# Altium PCB Hall Board V2.0.PcbDoc (part 3 of 3)
Units mil, origin at the board's own origin, x right, y up, seen from the top; angles counter-clockwise.
Board outline 4570 x 4451.26 mil, 4 copper layers (Top Layer, Internal Plane 1, Internal Plane 2, Bottom Layer), stack 18.2 mil thick; 380 components, 270 nets, 1115 pads, 166 vias.
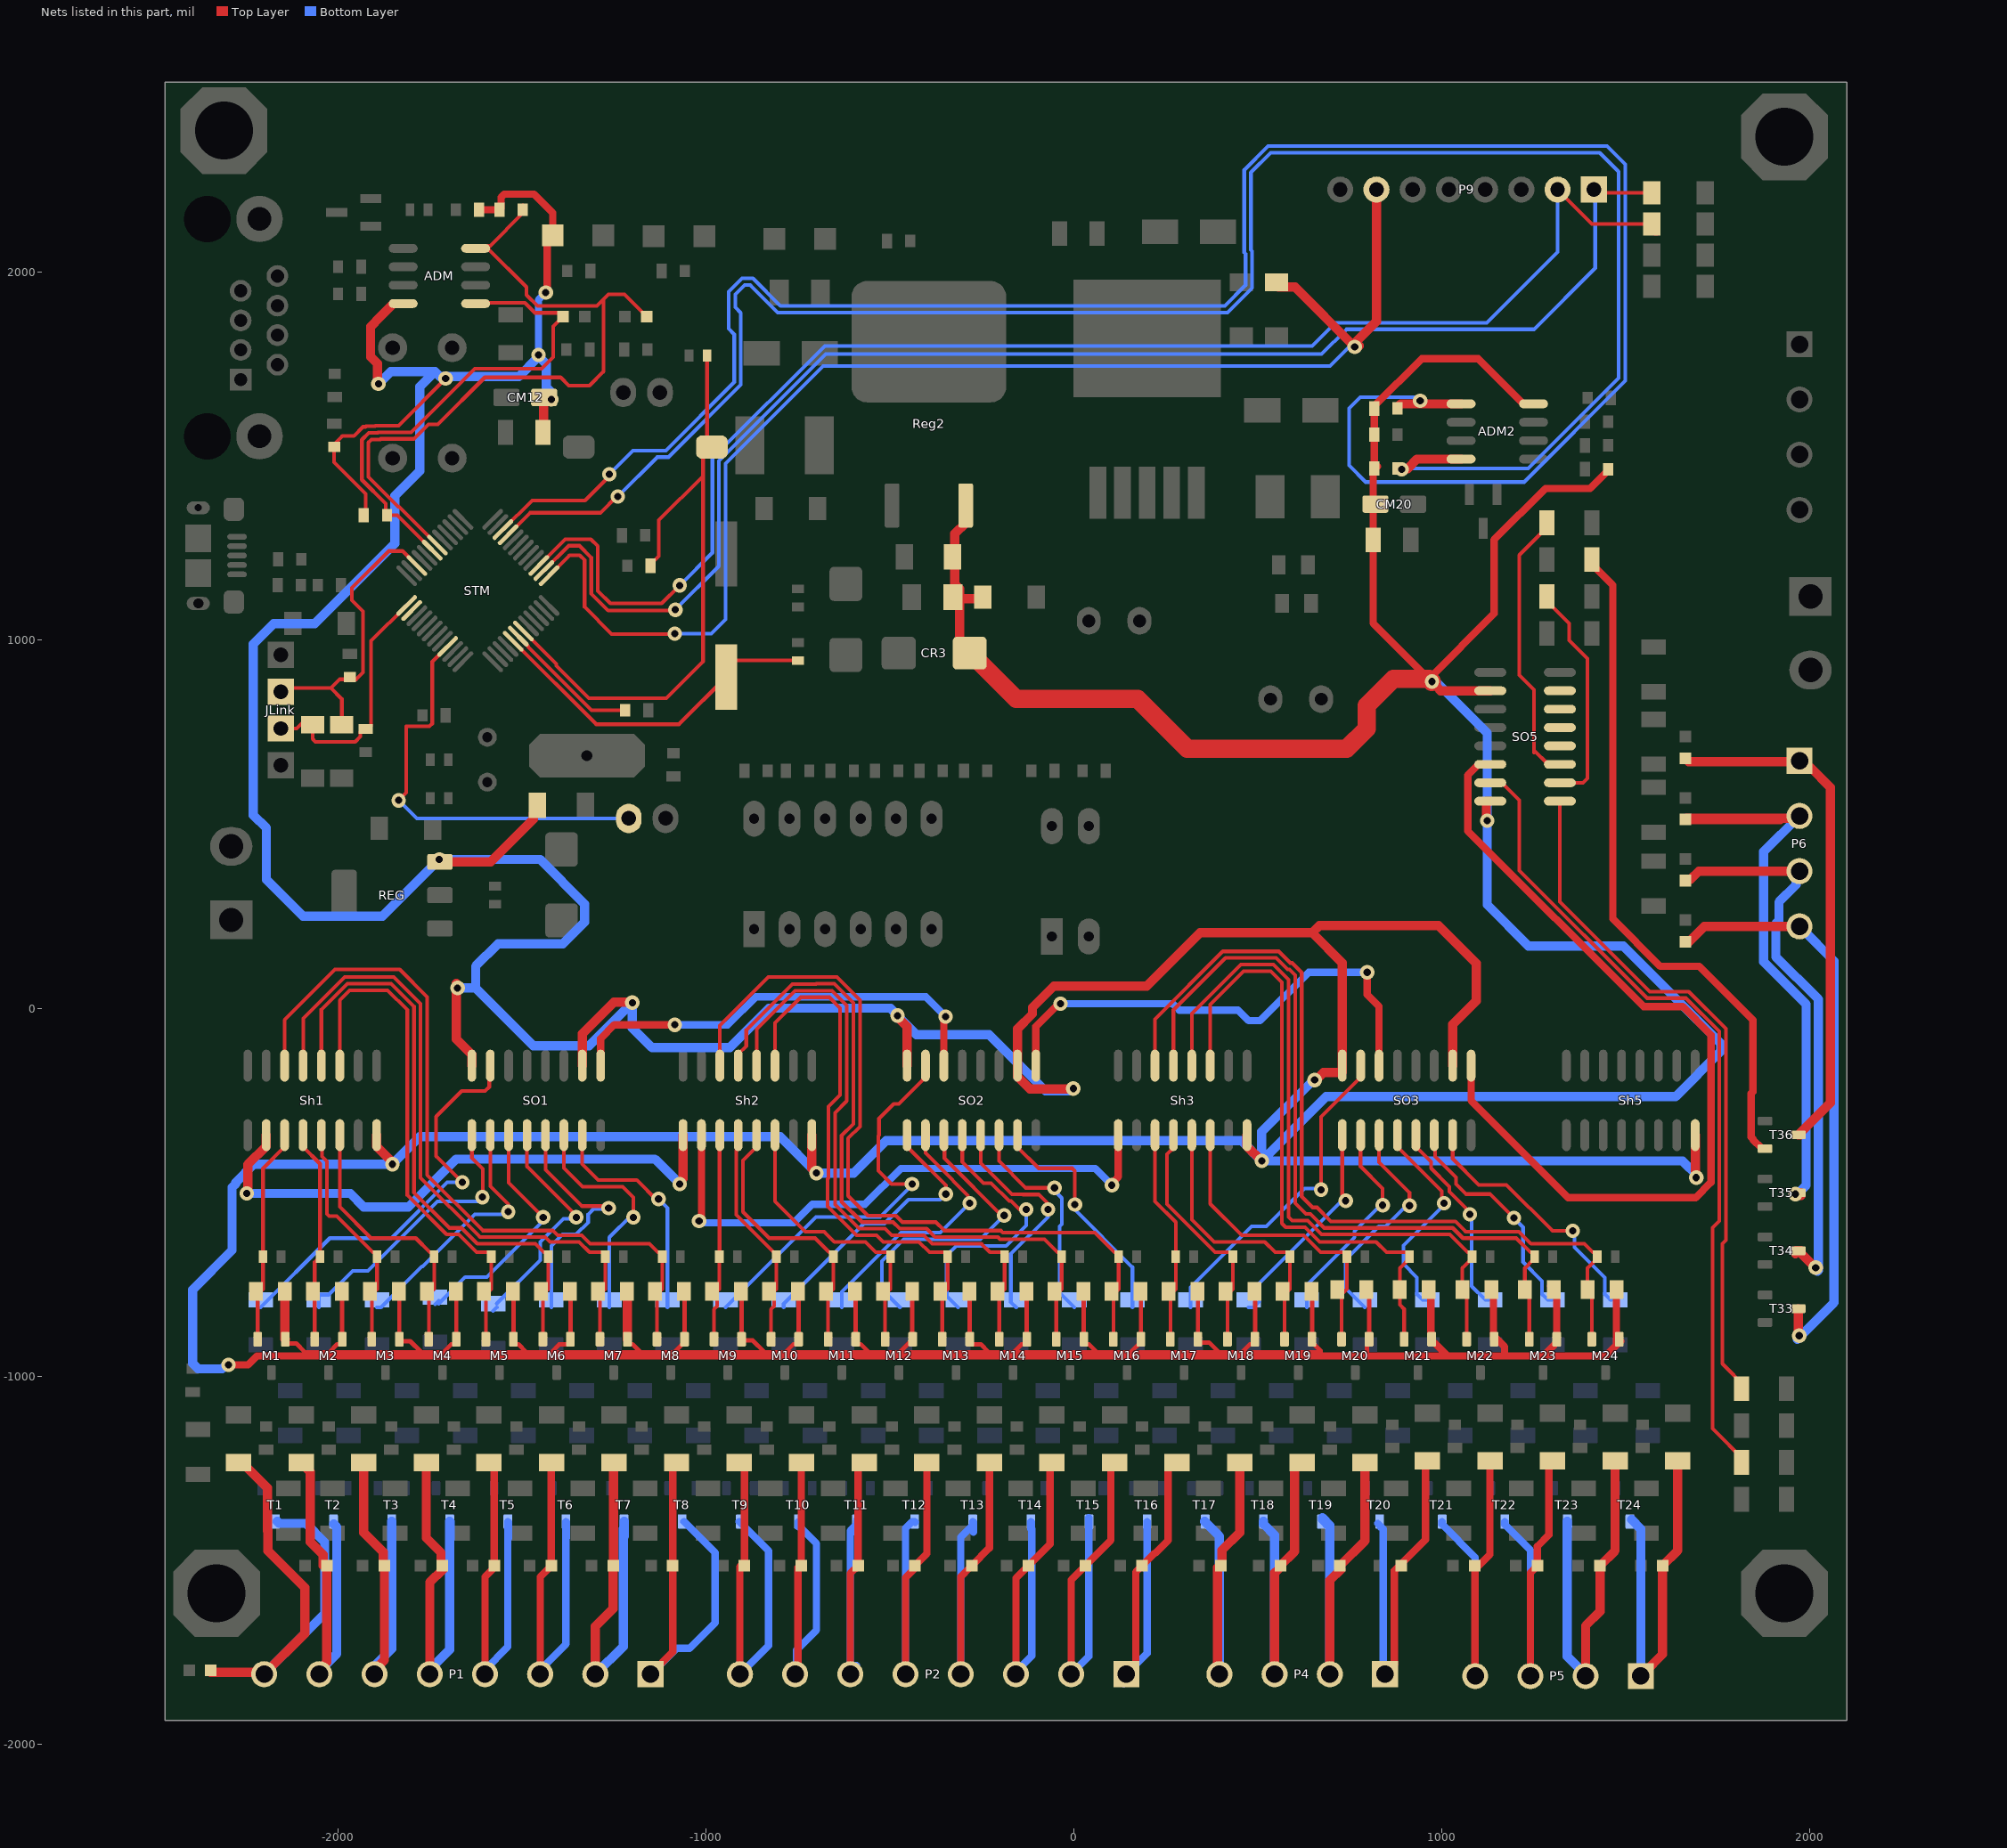
[diagram p5: the nets of this part, all layers, seen from the top]

## Via types
v1: diameter 39.37, hole 19.68, Top Layer to Bottom Layer, 165 vias
v2: diameter 78.74, hole 39.37, Top Layer to Bottom Layer, 1 vias

## Nets (pads, with @x,y where several pads share a name; then routed paths per layer and width w, separated by ;. In a path a pad name is that pad's centre, name@x,y a point inside that pad or via, vN(x,y) a via of type N, cw(c..) or ccw(c..) an arc to the next point about the centre after c; other vN are vias at no path point) (continued)
NetRX36_1: RX36.1 T36.2 | length 1865.8
  Top Layer w20: RX36.1@1407.22,1219.11 1407.22,1206.31 1463.63,1149.9 1463.63,242.91 1592.69,113.85 1698.6,113.85 1844.37,-31.92 1844.37,-227.36 1839.85,-231.88 1839.85,-350.48 1844.37,-355 1844.37,-356.4 1869.54,-381.56 T36.2@1877.41,-381.56
NetSh1_10: Sh1.10 Sh2.9 | length 1583.7
  Top Layer w25: v1@-2244.45,-500 -2244.45,-424.57 -2195,-375.12 Sh1.10@-2195,-345 ; v1@-1074.13,-475.1 -1062.5,-463.47 Sh2.9@-1062.5,-345
  Bottom Layer w25: v1(-2247.67,-503.34) -1966.66,-503.34 -1930,-540 -1808.55,-540 -1678.55,-410 -1139.22,-410 v1(-1071.45,-477.77)
NetSh2_10: Sh2.10 Sh3.9 | length 1579.6
  Top Layer w20: v1@-1017.61,-583.34 -1012.5,-578.23 Sh2.10@-1012.5,-345 ; v1@98.15,-480 120,-458.15 Sh3.9@120,-345
  Bottom Layer w20: v1@-1012.32,-583.4 -761.26,-583.4 -710.81,-532.95 -567.94,-532.95 -470.47,-435.48 57.33,-435.48 v1(102.68,-480.82)
  other v1: -1018.99,-578.4
NetSO1_9: SO1.9 SO2.14 | length 1217
  Top Layer w20: SO1.9@-1286.23,-156.02 -1286.23,-82.14 -1249.09,-45 v1(-1085,-45) ; SO2.14@-353.73,-156.02 -353.73,-22.14 v1@-351.59,-20
  Bottom Layer w20: v1(-1085,-45) -940.59,-45 -864.86,30.74 -402.33,30.74 v1(-348.92,-22.68)
NetSO2_9: SO2.9 SO3.14 | length 1438.4
  Top Layer w20: SO2.9@-103.73,-156.02 -103.73,-49.26 v1@-39.47,15 ; 800.96,32.5 796.6,36.86 ; SO3.14@828.77,-156.02 828.77,4.69 796.6,36.86 ; 796.6,36.86 v1(796.6,97.5) 796.6,36.86
  Bottom Layer w20: v1(-36.79,12.32) 268.42,12.32 285.75,-5 445.42,-5 474.44,-34.02 505.56,-34.02 637.08,97.5 v1(796.6,97.5)
NetSO3_9: SO3.9 SO5.14 | length 2389
  Top Layer w20: SO3.9@1078.77,-156.02 1078.77,-251.22 1342.55,-515 1688.86,-515 1730.48,-473.37 1730.48,-72.7 1653.3,4.48 1547.39,4.48 1069.84,482.03 1069.84,633.1 1099.53,662.78 SO5.14@1131.02,662.78
NetSTM_38: STM.38
OSCIN: C6.1 STM.5 Y2.2 | length 951
  Top Layer w10: STM.5@-1523.96,997.2 -1298.5,771.74 -1073.26,771.74 Y2.2@-945,900 -945,920.34 -920.47,944.86 C6.1@-750,944.86
OSCOUT: R8.1 STM.6 | length 374.9
  Top Layer w10: STM.6@-1510.04,1011.12 -1510.04,1010.63 -1482.91,983.5 -1482.91,981.43 -1311.48,810 R8.1@-1219.95,810
RESET: C10.1 R3.2 RES.2 STM.7 | length 1768.2
  Top Layer w10: STM.7@-1496.12,1025.04 -1406.83,935.75 -1406.83,930.63 -1318.84,842.64 -1107.64,842.64 -1007.87,942.4 -1007.87,1446.8 ; R3.2@-1157.3,1195 -1157.3,1199.92 -1154.73,1202.49 -1128.43,1228.79 -1128.43,1326.24 -1007.87,1446.8 ; C10.1@-997.02,1773.6 -997.02,1537.92 RES.2@-984.09,1525 -1007.87,1501.22 -1007.87,1446.8
RST: DZ15.2 P9.7 STM.13 | length 3660.9
  Top Layer w10: STM.13@-1426.52,1175.37 -1370.9,1230.98 -1343.14,1230.98 -1329.75,1217.6 -1329.75,1090.15 -1256.34,1016.73 v1@-1095,1016.73
  Top Layer w25: DZ15.2@550,1972.8 DZ15.2@555,1972.8 ; DZ15.2@555,1960 600,1960 v1(762.68,1797.32) ; v1@765,1810 821.57,1866.57 P9.7@821.57,2225 ; v1@767.5,1792.5 v1@775,1800
  Bottom Layer w10: v1(-1085,1018.15) -985.42,1018.15 -946.97,1056.6 -946.97,1479.82 -681.79,1745 695,1745 v1@755,1805
RxComm: ADM.1 R'15.1 Rx.1 STM.31 | length 1383.4
  Top Layer w10: STM.31@-1743.88,1244.96 -1838.92,1340 R'15.1@-1866.72,1340 -1870.65,1343.93 -1870.65,1371.73 -1935,1436.08 -1935,1545 -1916.13,1563.88 -1891.94,1563.88 -1890.7,1565.12 -1801.05,1565.12 -1627.87,1738.31 -1446.26,1738.31 -1414.79,1769.78 -1414.79,1852.98 Rx.1@-1388.6,1879.17 -1399.35,1889.91 -1464.41,1889.91 -1492.02,1917.52 -1623.52,1917.52 ADM.1@-1626.04,1915
RxDis: ADM2.1 R'42.1 STM.22 | length 5939.1
  Top Layer w10: STM.22@-1551.79,1300.64 -1472.44,1380 -1328.72,1380 v1@-1264.49,1444.23
  Top Layer w25: R'42.1@878.77,1630 878.77,1632.95 888.34,1642.52 ADM2.1@1051.57,1642.52
  Bottom Layer w10: v1(-1262.58,1451.44) -1198.36,1515.66 -1109.28,1515.66 -923.25,1701.69 -923.25,1831.38 -938.35,1846.48 -938.35,1947.62 -902.4,1983.57 -872.44,1983.57 -797.5,1908.62 409.61,1908.62 465.93,1964.94 465.93,2050.21 462.58,2053.56 462.58,2278.44 527.27,2343.13 1448.24,2343.13 1497.87,2293.49 1497.87,1705 1222.87,1430 792.47,1430 747.02,1475.45 747.02,1630.64 777.29,1660.91 934.87,1660.91 v1@948.06,1647.72
  other v1: 940.37,1650.68
SCLK: DZ22.2 P9.2 STM.15 | length 3952.1
  Top Layer w10: STM.15@-1454.36,1203.21 -1382.71,1274.86 -1313.01,1274.86 -1294.01,1255.85 -1294.01,1134.12 -1259.69,1099.8 -1120.57,1099.8 v1(-1071.45,1148.92) ; P9.2@1305,2215 1323.7,2215 1407.34,2131.36 DZ22.2@1569.21,2131.36 ; DZ22.2@1577.71,2104.86 DZ22.2@1585.59,2104.86
  Bottom Layer w10: v1(-1071.45,1148.92) -982.72,1237.65 -982.72,1494.62 -677.34,1800 646.96,1800 709.84,1862.87 1121.57,1862.87 1313.7,2055 1313.7,2203.7 P9.2@1320,2210
SDA: DZ21.2 P9.1 STM.14 | length 3927.6
  Top Layer w10: STM.14@-1440.44,1189.29 -1372.74,1256.98 -1343.86,1256.98 -1311.88,1225 -1311.88,1126.72 -1265.88,1080.71 v1@-1085,1080.71 ; P9.1@1425,2230 1438.96,2216.04 DZ21.2@1569.21,2216.04 DZ21.2@1569.21,2208.17
  Bottom Layer w10: v1(-1083.26,1082.88) -964.84,1201.29 -964.84,1487.22 -674.43,1777.63 672.63,1777.63 740,1845 1250,1845 1416.06,2011.06 1416.06,2213.94 P9.1@1415,2215
SI24_0: DD1.2 L1.2 P1.8 T1.3 | length 1426.2
  Top Layer w25: L1.2@-2345,-1805 -2205.59,-1805 P1.8@-2200.59,-1810 -2090,-1699.41 -2090,-1575 -2190,-1475 -2190,-1420 ; DD1.2@-2270,-1234.96 -2260.04,-1234.96 -2191.52,-1303.48 -2191.52,-1420
  Bottom Layer w25: P1.8@-2200.59,-1810 -2036.07,-1645.48 -2036.07,-1451.35 -2087.42,-1400 -2160,-1400 T1.3@-2165,-1395
SI24_1: DD2.2 L2.2 P1.7 T2.3 | length 1011.2
  Top Layer w25: DD2.2@-2100,-1234.96 -2075,-1259.96 -2075,-1449.99 -2040,-1484.99 L2.2@-2040,-1515 ; P1.7@-2040,-1795 -2041.82,-1793.18 -2041.82,-1788.81 -2030.47,-1777.47 L2.2@-2030.47,-1515
  Bottom Layer w25: P1.7@-2050.59,-1797.76 -2046.71,-1797.76 -2003.2,-1754.25 -2003.2,-1410.39 T2.3@-2011.41,-1402.19
SI24_2: DD3.2 L3.2 P1.6 T3.3 | length 1069.6
  Top Layer w25: DD3.2@-1935,-1235 -1930,-1240 -1930,-1424.99 -1877.05,-1477.94 -1877.05,-1511.75 L3.2@-1873.81,-1515 -1873.81,-1770.8 -1891.82,-1788.81 -1891.82,-1798.18 P1.6@-1890,-1800
  Bottom Layer w25: P1.6@-1900.59,-1797.76 -1900.59,-1787.41 -1854.19,-1741.01 T3.3@-1854.19,-1395 -1853.51,-1395.69 -1853.51,-1443.76
SI24_3: DD4.2 L4.2 P1.5 T4.3 | length 1071.6
  Top Layer w25: DD4.2@-1760,-1234.96 -1760,-1440 -1720,-1480 -1720,-1511.75 -1716.75,-1515 L4.2@-1715,-1515 ; P1.5@-1750.59,-1810 -1750.59,-1560.59 L4.2@-1715,-1525
  Bottom Layer w25: P1.5@-1750.59,-1797.76 -1696.29,-1743.45 T4.3@-1696.29,-1395 -1695.6,-1395.69 -1695.6,-1441.67
SI24_4: DD5.2 L5.2@-1575.47,-1515 P1.4 T5.3 | length 1053
  Top Layer w20: P1.4@-1600.59,-1810 -1600.59,-1545.59 L5.2@-1580,-1525 ; DD5.2@-1590,-1240 -1584.06,-1240 -1575.47,-1248.58 L5.2@-1575.47,-1515
  Bottom Layer w20: P1.4@-1600.59,-1797.76 -1538.39,-1735.55 T5.3@-1538.39,-1395 -1536.58,-1396.81 -1536.58,-1440.69
SI24_5: DD6.2 L6.2 P1.3 T6.3 | length 1062.4
  Top Layer w20: P1.3@-1450.59,-1810 -1450.59,-1545.12 -1425.47,-1520 L6.2@-1420,-1520 ; L6.2@-1420,-1515 -1420.47,-1514.53 -1420.47,-1235.43 DD6.2@-1420,-1234.96
  Bottom Layer w20: P1.3@-1450.59,-1797.76 -1380.48,-1727.65 T6.3@-1380.48,-1395 -1378.67,-1396.81 -1378.67,-1438.6
SI24_6: DD7.2 L7.2 P1.2 T7.3 | length 1084.1
  Top Layer w25: P1.2@-1300.59,-1810 -1300.59,-1680.52 -1252.14,-1632.07 -1252.14,-1517.86 L7.2@-1255,-1515 ; L7.2@-1252.14,-1515 -1251.07,-1513.93 -1251.07,-1246.08 -1249.99,-1245 DD7.2@-1240,-1245
  Bottom Layer w25: P1.2@-1300.59,-1810 -1225,-1734.41 -1225,-1415 ; -1222.58,-1415 T7.3@-1222.58,-1395 -1221.89,-1395.69 -1221.89,-1435.38
SI24_7: DD8.2 L8.2 P1.1 T8.3 | length 1147
  Top Layer w20: P1.1@-1150.59,-1810 -1090.47,-1749.88 L8.2@-1090.47,-1515 L8.2@-1090.47,-1514.53 ; L8.2@-1095,-1510 L8.2@-1090.47,-1514.53 ; DD8.2@-1095,-1240 -1090.47,-1244.53 L8.2@-1090.47,-1514.53
  Bottom Layer w20: P1.1@-1150.59,-1810 -1080.31,-1739.72 -1044.72,-1739.72 -975,-1670 -975,-1480 T8.3@-1060,-1395
SI24_8: DD9.2 L9.2 P2.8 T9.3 | length 1067.8
  Top Layer w20: DD9.2@-910,-1235 -909.06,-1235 -895.47,-1248.58 L9.2@-895.47,-1505.47 ; P2.8@-907.87,-1810 -907.87,-1517.87 L9.2@-895.47,-1505.47 ; L9.2@-895,-1505 L9.2@-895.47,-1505.47
  Bottom Layer w20: T9.3@-910,-1395 -906.77,-1398.23 -830,-1475 -830,-1732.13 -906.77,-1808.91 P2.8@-907.87,-1810
SI24_9: DD10.2 L10.2 P2.7 T10.3 | length 1042.1
  Top Layer w20: P2.7@-757.87,-1810 -750,-1802.13 L10.2@-750,-1520 ; L10.2@-741.12,-1515 -741.12,-1241.12 DD10.2@-740,-1240
  Bottom Layer w20: P2.7@-757.87,-1810 -754.57,-1806.7 -754.57,-1744.57 -700,-1690 -700,-1455 T10.3@-745,-1410 ; T10.3@-748.87,-1410 T10.3@-748.87,-1395 -747.06,-1396.81 T10.3@-747.06,-1410
SI24_10: DD11.2 L11.2 P2.6 T11.3 | length 1086
  Top Layer w20: P2.6@-607.87,-1810 -607.87,-1536.1 L11.2@-586.77,-1515 ; L11.2@-585,-1515 L11.2@-586.77,-1515 ; DD11.2@-580,-1230 -586.77,-1236.77 L11.2@-586.77,-1515
  Bottom Layer w20: P2.6@-609.69,-1797.76 P2.6@-607.87,-1797.76 ; P2.6@-607.87,-1810 P2.6@-607.87,-1797.76 ; P2.6@-590.97,-1786.04 -602.68,-1797.76 P2.6@-607.87,-1797.76 ; T11.3@-590,-1390 T11.3@-590,-1395.97 ; -589.16,-1428.11 -589.16,-1396.81 T11.3@-590,-1395.97 ; P2.6@-607.87,-1797.76 -607.87,-1419.77 T11.3@-590.97,-1402.87 ; T11.3@-590.97,-1402.87 T11.3@-590.97,-1395 T11.3@-590,-1395.97 ; T11.3@-590.97,-1402.87 -590,-1401.91 T11.3@-590,-1395.97
SI24_11: DD12.2 L12.2 P2.5 T12.3 | length 1009.9
  Top Layer w20: P2.5@-457.87,-1810 -457.87,-1547.87 L12.2@-435,-1525 ; L12.2@-432.41,-1515 -400,-1482.59 -400,-1245 DD12.2@-395,-1240
  Bottom Layer w20: P2.5@-457.87,-1810 -457.87,-1412.87 T12.3@-440,-1395 ; T12.3@-433.06,-1395 T12.3@-431.25,-1396.81
SI24_12: DD13.2 L13.2 P2.4 T13.3 | length 1066.7
  Top Layer w20: P2.4@-307.87,-1810 -307.87,-1544.81 -283.06,-1520 L13.2@-275,-1520 ; L13.2@-278.06,-1515 -230,-1466.94 DD13.2@-230,-1235
  Bottom Layer w20: P2.4@-307.87,-1810 -307.87,-1437.87 T13.3@-275.16,-1405.16 ; T13.3@-275,-1405 T13.3@-275.16,-1405.16 ; -273.35,-1423.92 -273.35,-1396.81 T13.3@-275.16,-1395 T13.3@-275.16,-1405.16
SI24_13: DD14.2 L14.2 P2.3 T14.3 | length 1072.8
  Top Layer w20: P2.3@-157.87,-1810 -157.87,-1549.16 L14.2@-123.71,-1515 L14.2@-120,-1511.29 ; L14.2@-120,-1510 L14.2@-120,-1511.29 ; DD14.2@-60,-1240 -65,-1245 -65,-1456.29 L14.2@-120,-1511.29
  Bottom Layer w20: P2.3@-157.87,-1810 -157.87,-1803.2 -115,-1760.33 -115,-1422.27 ; -117.26,-1415 T14.3@-117.26,-1395 -115.45,-1396.81 -115.45,-1421.82 -115,-1422.27 ; -115,-1415 -115,-1422.27
SI24_14: DD15.2 L15.2 P2.2 T15.3 | length 1397.4
  Top Layer w20: P2.2@-7.87,-1810 -7.87,-1553.51 25.65,-1520 L15.2@30,-1520 ; L15.2@30.65,-1515 100,-1445.65 DD15.2@100,-1235
  Bottom Layer w20: P2.2@-7.87,-1810 40,-1762.13 T15.3@40,-1385 ; 40.64,-1730.64 T15.3@40.64,-1395
SI24_15: DD16.2 L16.2 P2.1 T16.3 | length 1096.5
  Top Layer w20: P2.1@142.13,-1810 167.56,-1784.57 167.56,-1532.43 L16.2@180,-1520 ; L16.2@185,-1515 219.03,-1480.97 220.49,-1480.97 255.55,-1445.91 255.55,-1248.58 264.13,-1240 DD16.2@280,-1240
  Bottom Layer w20: P2.1@135,-1835 135,-1817.13 P2.1@142.13,-1810 198.55,-1753.58 T16.3@198.55,-1395
SI24_16: DD17.2 L17.2 P4.4 T17.3 | length 1019.7
  Top Layer w25: L17.2@390,-1520 390,-1805 P4.4@395,-1810 ; L17.2@399.06,-1515 402.3,-1511.75 402.3,-1472.69 450,-1424.99 DD17.2@450,-1240
  Bottom Layer w25: T17.3@355,-1395 395,-1435 P4.4@395,-1810
SI24_17: DD18.2 L18.2 P4.3 T18.3 | length 1029
  Top Layer w25: P4.3@545,-1810 545,-1535 L18.2@555,-1525 ; L18.2@560.72,-1515 599.33,-1476.4 599.33,-1240.67 DD18.2@615,-1225
  Bottom Layer w25: T18.3@514.35,-1402.19 T18.3@514.35,-1395 ; T18.3@515.04,-1402.19 545,-1432.14 P4.3@545,-1810
SI24_18: DD19.2 L19.2 P4.2 T19.3 | length 1074.1
  Top Layer w25: P4.2@695,-1810 695,-1555 L19.2@725,-1525 ; L19.2@722.39,-1515 790,-1447.39 790,-1235 DD19.2@785,-1230
  Bottom Layer w25: T19.3@675,-1390 695,-1410 ; T19.3@675,-1385 695,-1405 695,-1410 ; P4.2@695,-1810 695,-1410
SI24_19: DD20.2 L20.2 P4.1 T20.3 | length 1032
  Top Layer w20: P4.1@845,-1810 870.43,-1784.57 870.43,-1528.62 879.06,-1520 L20.2@880,-1520 ; L20.2@884.06,-1515 955,-1444.06 DD20.2@955,-1245
  Bottom Layer w20: T20.3@825,-1400 840,-1415 840,-1417.27 ; T20.3@831.97,-1409.24 840,-1417.27 ; P4.1@840,-1810 840,-1417.27
SI24_20: DD21.2 L21.2 P5.4 T21.3 | length 1057.2
  Top Layer w20: P5.4@1090,-1815 1089.53,-1814.53 1089.53,-1520.47 L21.2@1090,-1520 ; L21.2@1095,-1520 1130,-1485 DD21.2@1130,-1229.96
  Bottom Layer w20: T21.3@1000,-1395 1000,-1402.71 1090,-1492.71 P5.4@1090,-1815
SI24_21: DD22.2 L22.2 P5.3 T22.3 | length 1067.7
  Top Layer w20: P5.3@1240,-1815 1240,-1534.06 1254.06,-1520 L22.2@1260,-1520 ; L22.2@1259.06,-1515 1259.06,-1462.4 1290,-1431.46 DD22.2@1290,-1235
  Bottom Layer w20: T22.3@1170.16,-1395 1170.16,-1402.87 1240,-1472.71 P5.3@1240,-1815 1240,-1820 P5.3@1230,-1830
SI24_22: DD23.2 L23.2 P5.2 T23.3 | length 1070.9
  Top Layer w25: P5.2@1390,-1815 1390,-1678.32 1429.06,-1639.27 1429.06,-1515.95 1430,-1515 1430,-1514.06 1470,-1474.06 DD23.2@1470,-1229.96
  Bottom Layer w25: T23.3@1340.16,-1395 1340.16,-1761.7 1395,-1816.54 P5.2@1395,-1825
SI24_23: DD24.2 L24.2 P5.1 T24.3 | length 1082.6
  Top Layer w25: P5.1@1550,-1830 1550,-1805 1599.06,-1755.95 L24.2@1599.06,-1515 1640,-1474.06 DD24.2@1640,-1229.96 DD24.2@1640,-1220
  Bottom Layer w25: T24.3@1515,-1390 1540,-1415 P5.1@1540,-1815
Sig_0: RF1.2 SO1.15 | length 1133.5
  Top Layer w10: v1(-1662.32,-473.34) -1733.5,-402.16 -1733.5,-294.61 -1663.89,-225 -1600,-225 -1588.84,-213.84 -1588.84,-158.63 SO1.15@-1586.23,-156.02
  Bottom Layer w10: RF1.2@-2210,-812.8 -2022.2,-625 -1855,-625 -1703.34,-473.34 v1(-1662.32,-473.34)
Sig_1: RF2.2 SO1.1 | length 782
  Top Layer w10: SO1.1@-1636.23,-345 -1636.23,-406.84 -1606.33,-436.74 -1606.33,-512.29 v1@-1600,-518.61
  Bottom Layer w10: RF2.2@-2052.1,-812.8 -2052.1,-778.7 -2025.05,-778.7 -1959.96,-713.61 -1918.34,-713.61 -1729.72,-525 -1605,-525 v1@-1600,-520
  other v1: -1607.67,-513.34
Sig_2: RF3.2 SO1.2 | length 697.4
  Top Layer w10: SO1.2@-1586.23,-345 -1586.23,-483.77 -1537.67,-532.33 v1(-1537.67,-553.34)
  Bottom Layer w10: RF3.2@-1894.19,-812.8 -1882.92,-812.8 -1771.78,-701.65 -1770.26,-701.65 -1628.6,-560 v1@-1530,-560
Sig_3: RF4.2 SO1.3 | length 671.2
  Top Layer w10: SO1.3@-1536.23,-345 -1536.23,-474.4 v1(-1442.3,-568.34)
  Bottom Layer w10: RF4.2@-1736.29,-804.84 RF4.2@-1726.37,-794.92 ; RF4.2@-1726.37,-802.87 -1654.39,-730.9 -1595.9,-730.9 v1@-1430,-565
Sig_4: RF5.2 SO1.4 | length 634.4
  Top Layer w10: SO1.4@-1486.23,-345 -1486.23,-430.01 -1352.67,-563.57 v1(-1352.67,-568.34)
  Bottom Layer w10: RF5.2@-1578.39,-822.72 RF5.2@-1568.47,-812.8 ; RF5.2@-1568.47,-802.87 -1450,-684.41 -1450,-635.25 -1387.36,-572.6 -1356.93,-572.6 v1(-1352.67,-568.34)
Sig_5: RF6.2 SO1.5 | length 686
  Top Layer w10: SO1.5@-1436.23,-345 -1436.23,-438.73 -1337.24,-537.72 -1270.07,-537.72 v1(-1264.45,-543.34)
  Bottom Layer w10: RF6.2@-1420.48,-812.8 -1420.48,-645.48 -1390,-615 -1353.29,-615 -1320.11,-581.82 -1320.11,-560.11 -1305,-545 v1@-1265,-545
Sig_6: RF7.2 SO1.6 | length 637
  Top Layer w10: SO1.6@-1386.23,-345 -1386.23,-433.95 -1335.18,-485 -1226.29,-485 -1197.37,-513.93 v1(-1197.37,-568.34)
  Bottom Layer w10: RF7.2@-1262.58,-812.8 -1262.58,-622.58 v1@-1205,-565
Sig_7: RF8.2 SO1.7 | length 627.8
  Top Layer w10: SO1.7@-1336.23,-345 -1336.23,-423.75 -1292.86,-467.13 -1188.15,-467.13 v1@-1132.67,-522.61
  Bottom Layer w10: v1(-1129.03,-518.34) -1129.03,-518.69 -1104.68,-543.04 RF8.2@-1104.68,-812.8
Sig_8: RF9.2 SO2.15 | length 1099.7
  Top Layer w10: v1(-440.21,-477.77) -496.12,-477.77 -531.97,-441.92 -531.97,-346.97 -530,-345 -530,-300 -490,-260 -476.21,-260 -403.73,-187.52 SO2.15@-403.73,-156.02
  Bottom Layer w10: RF9.2@-946.77,-812.8 -701.1,-567.13 -527.13,-567.13 v1@-438.99,-478.99
Sig_9: RF10.2 SO2.1 | length 777
  Top Layer w10: SO2.1@-453.73,-345 -453.73,-376.5 -348.27,-481.96 v1(-348.27,-505)
  Bottom Layer w10: RF10.2@-788.87,-812.8 -788.87,-803.87 -570,-585 -515,-585 -450,-520 -363.27,-520 v1(-348.27,-505)
Sig_10: RF11.2 SO2.2 | length 722
  Top Layer w10: SO2.2@-403.73,-345 -403.73,-393.59 -370,-427.32 -288.38,-508.94 v1@-288.38,-530
  Bottom Layer w10: RF11.2@-630.97,-812.8 -630.97,-770.97 -470,-610 -363.39,-610 v1(-283.39,-530)
Sig_11: RF12.2 SO2.3 | length 822
  Top Layer w10: SO2.3@-353.73,-345 -352.13,-346.6 -352.13,-407.87 v1@-190,-570
  Bottom Layer w10: RF12.2@-473.06,-812.8 -522.07,-763.79 -522.07,-687.35 -462.6,-627.87 -254.54,-627.87 v1(-190,-563.34)
Sig_12: RF13.2 SO2.4 | length 747.7
  Top Layer w10: SO2.4@-303.73,-345 -303.73,-417.39 -246.03,-475.1 -225.18,-475.1 -176.4,-523.88 -171.22,-523.88 -148.42,-546.68 v1(-129.78,-546.68)
  Bottom Layer w10: RF13.2@-315.16,-812.8 -346.08,-781.88 -346.08,-671.57 -320.26,-645.75 -184.89,-645.75 -129.78,-590.63 v1(-129.78,-546.68)
Sig_13: RF14.2 SO2.5 | length 634.1
  Top Layer w10: SO2.5@-253.73,-345 -253.73,-421.27 -169,-506 -138.38,-506 -138.17,-506.21 -95.8,-506.21 -70.95,-531.06 v1(-70.95,-546.68)
  Bottom Layer w10: RF14.2@-157.26,-812.8 -171.85,-798.21 -171.85,-668.12 -70.95,-567.22 v1(-70.95,-546.68)
Sig_14: RF15.2 SO2.6 | length 602.8
  Top Layer w10: SO2.6@-203.73,-345 -203.73,-415.38 -130.77,-488.34 v1(-53.14,-488.34)
  Bottom Layer w10: v1(-53.14,-488.34) -53.14,-496.29 -33.38,-516.05 -33.38,-586.73 -39.21,-592.56 -39.21,-772.95 RF15.2@0.64,-812.8